# Altium PCB Mini58FDE_nRF24L01_Master.PcbDoc
Units mil, origin at the board's own origin, x right, y up, seen from the top; angles counter-clockwise.
Board outline 4700 x 2450 mil, 2 copper layers (Top Layer, Bottom Layer); 26 components, 22 nets, 112 pads, 0 vias.
Unrouted connection lines stored in the file: 59.
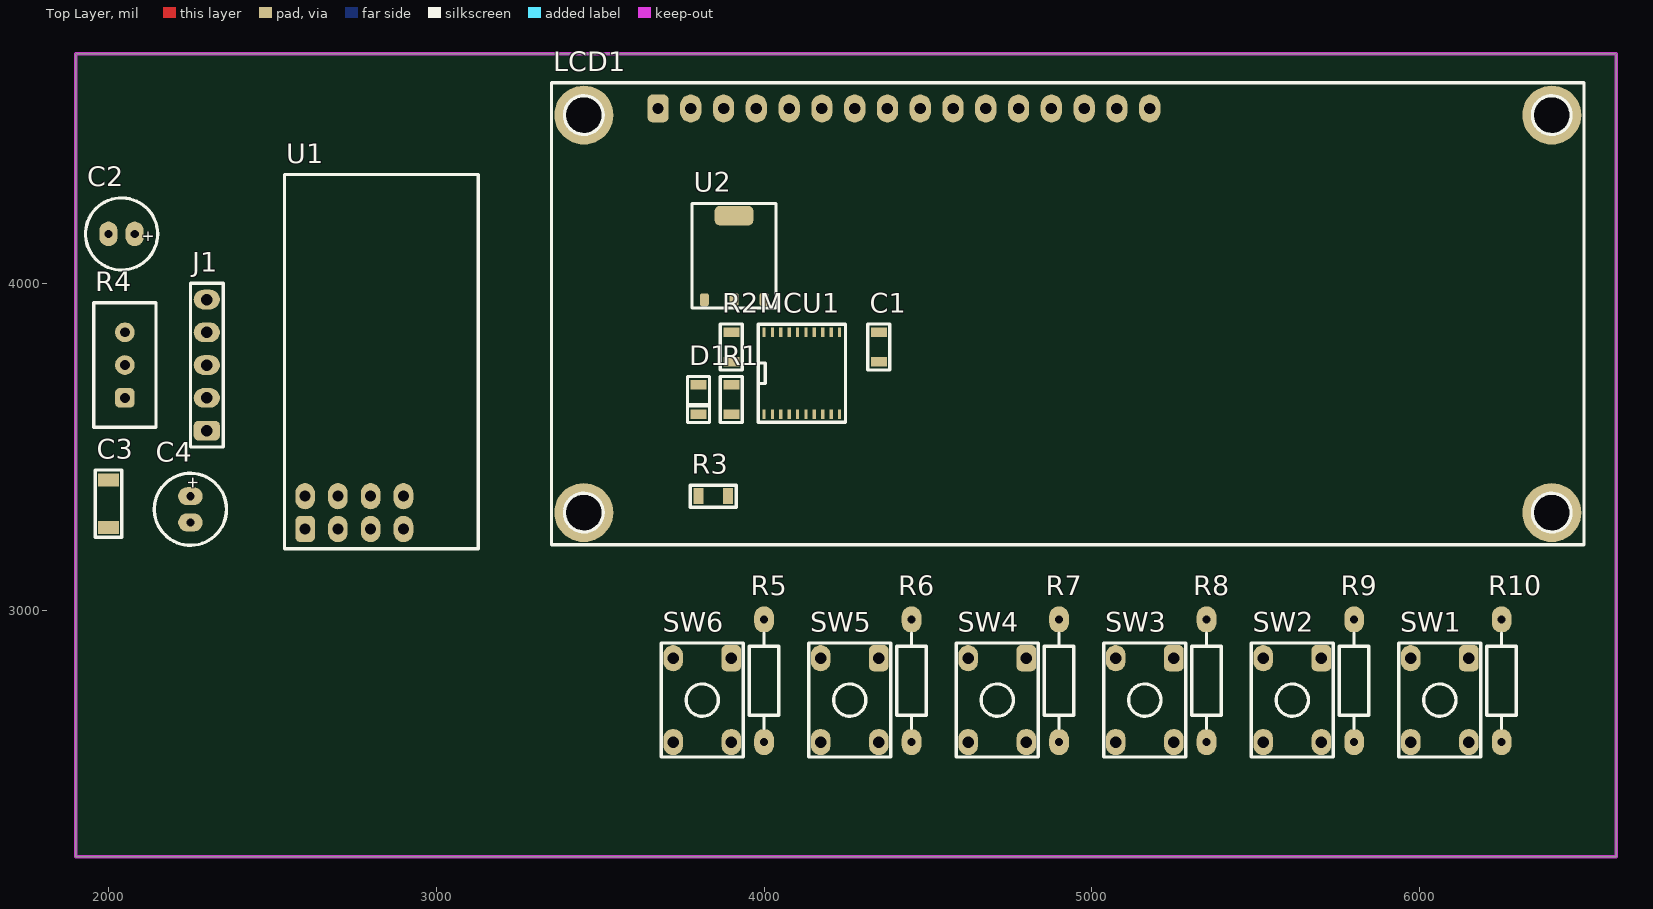
[diagram p0: Top Layer view]
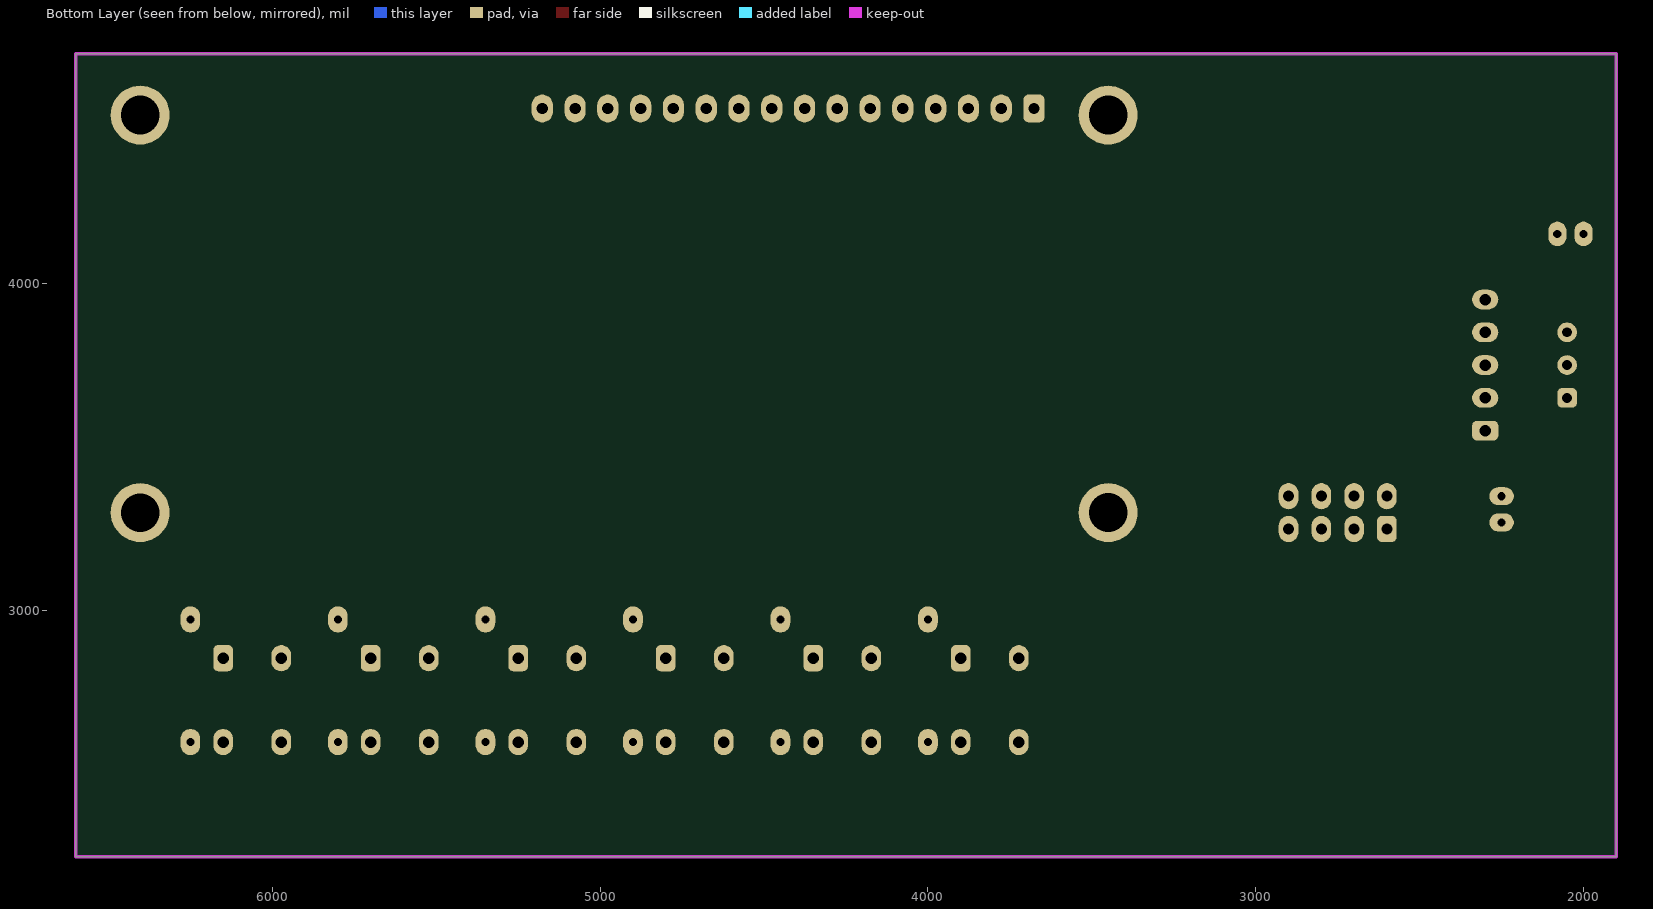
[diagram p1: Bottom Layer view, seen from below]

## Layer stack, top to bottom
Top Solder: solder mask 0.4, Solder Resist, Dk 3.5
Top Layer: signal copper 1.4
Dielectric 1: dielectric 12.6, FR-4, Dk 4.8
Bottom Layer: signal copper 1.4
Bottom Solder: solder mask 0.4, Solder Resist, Dk 3.5

## Board outline
1900,2250 1900,4700 6600,4700 6600,2250

## Design rules (kind name [scope] priority, off if disabled: settings)
Clearance [All] p1: gap=10 ignorepadtopadclearanceinfootprint=FALSE except(0: Arc-Hole Track-Hole SMDPad-Hole THPad-Hole Via-Hole Fill-Hole Poly-Hole Region-Hole Text-Hole)
PolygonConnect [All] p1: connectstyle=Relief reliefconductorwidth=10 reliefentries=4 polygonreliefangle="90 Angle" airgapwidth=10
RoutingVias [All] p1: holewidth=28 width=50 viastyle="Through Hole" minholewidth=28 minwidth=50 maxholewidth=28 maxwidth=50
SolderMaskExpansion [All] p1: expansion=4 istentingtop=FALSE
Width [All] p1: maxlimit=10 minlimit=10 preferedwidth=10
30 further rules are at their usual default settings.

## Components (designator, comment, footprint, x,y, rotation, side; value= is the part's Value field where it differs from the comment)
C1 "104" C0805 4350,3805 r270 top
C2 "10uF" CAP_RAD_D05x11 2040,4150 r180 top
C3 "104" C1206 2000,3327.5 r90 top
C4 "10uF" CAP_RAD_D05x11 2250,3310 r270 top
D1 "LED0805" L0805RED 3800,3645 r270 top
J1 "SWD" HEADER-MALE-05PINS-2.54MM 2300,3550 r90 top
LCD1 "LCD-16x2" LCD-16x2-VIOLET 3676.51,4532.76 r0 top
MCU1 "Mini58FDE" TSSOP20_0.65_4.4 4115.16,3725 r90 top
R1 "10k" R0805 3900,3645 r270 top
R2 "10k" R0805 3900,3805 r90 top
R3 "10k" R0805 3845,3350 r0 top
R4 "Trimpot" "Trimpot 3296W" 2050,3750 r90 top
R5 "10K" RES-0.25W-H 4000,2787 r90 top
R6 "10K" RES-0.25W-H 4450,2787 r90 top
R7 "10K" RES-0.25W-H 4900,2787 r90 top
R8 "10K" RES-0.25W-H 5350,2787 r90 top
R9 "10K" RES-0.25W-H 5800,2787 r90 top
R10 "10K" RES-0.25W-H 6250,2787 r90 top
SW1 "Button Hole" BUTTON_HOLE_4.3mm 6061.42,2727.95 r0 top
SW2 "Button Hole" BUTTON_HOLE_4.3mm 5611.42,2727.95 r0 top
SW3 "Button Hole" BUTTON_HOLE_4.3mm 5161.42,2727.95 r0 top
SW4 "Button Hole" BUTTON_HOLE_4.3mm 4711.42,2727.95 r0 top
SW5 "Button Hole" BUTTON_HOLE_4.3mm 4261.42,2727.95 r0 top
SW6 "Button Hole" BUTTON_HOLE_4.3mm 3811.42,2727.95 r0 top
U1 "nRF24L01" nRF24L01 2750,3300 r270 top
U2 "3V3" SOT223-3 3908.46,4085.83 r0 top

## Footprints (in the part's own frame and the unit in brackets; to place one, negate y for a bottom-side part, rotate by r counter-clockwise, add the part's x,y. Pads: shape width x height; smd on the part's side, far side on the other; paste and mask are expansions set on the pad)
BUTTON_HOLE_4.3mm [mil]
  rrect50% 60x80 hole 35: 1(88.58,127.95)
  oval 60x80 hole 35: 2(88.58,-127.95) 3(-88.58,127.95) 4(-88.58,-127.95)
  silkscreen extent -125,-173 125,174, body extent -118,-152 118,152, height 169
C0805 [mil]
  rect 30x48.82 smd: 1(-45,0) 2(45,0)
  silkscreen extent -70,-33 70,33, body extent -39,-24 39,24, height 39
C1206 [mil]
  rect 40x62.99 smd: 1(-72.5,0) 2(72.5,0)
  silkscreen extent -102,-40 102,40, body extent -63,-31 63,32, height 30
CAP_RAD_D05x11 [mil]
  oval 55x75 hole 25: 1(-40,0) 2(40,0)
  silkscreen extent -110,-110 110,110, body extent -108,-108 108,108, height 492
HEADER-MALE-05PINS-2.54MM [mil]
  rrect50% 60x80 hole 35: 1(0,0)
  oval 60x80 hole 35: 2(100,0) 3(200,0) 4(300,0) 5(400,0)
  silkscreen extent -50,-50 450,50, body extent -50,-50 450,50, height 350
L0805RED [mil]
  rect 30x48.82 smd: 1(-45,0) 2(45,0)
  silkscreen extent -70,-35 70,35, body extent -39,-25 39,25, height 43
LCD-16x2-VIOLET [mil]
  round 180 hole 118.11: 0(-226.51,-1232.76) 0(-226.3,-20.13) 0(2726.51,-20.18) 0(2726.53,-1232.84)
  rrect50% 65x85 hole 35: 1(0,0)
  oval 65x85 hole 35: 2(100,0) 3(200,0) 4(300,0) 5(400,0) 6(500,0) 7(600,0) 8(700,0) 9(800,0) 10(900,0) 11(1000,0) 12(1100,0) 13(1200,0) 14(1300,0) 15(1400,0) 16(1500,0)
  silkscreen extent -325,-1331 2825,78, body extent -324,-1331 2825,79, height 531
nRF24L01 [mil]
  rrect50% 80x60 hole 33.46: 1(50,-150)
  oval 80x60 hole 33.46: 2(-50,-150) 3(50,-50) 4(-50,-50) 5(50,50) 6(-50,50) 7(50,150) 8(-50,150)
  silkscreen extent -1031,-213 110,378, body extent -1031,-213 110,378, height 434
R0805 [mil]
  rect 30x48.82 smd: 1(-45,0) 2(45,0)
  silkscreen extent -70,-33 70,33, body extent -39,-25 40,25, height 18
RES-0.25W-H [mil]
  oval 80x60 hole 25: 1(-187,0) 2(187,0)
  silkscreen extent -145,-45 145,45, body extent -199,-49 199,49, height 109
SOT223-3 [mm]
  rrect50% 0.7x1 smd: 1(-2.3,-3.475) 2(0,-3.45) 3(2.325,-3.45)
  rrect50% 3x1.5 smd: 4(0,3.048)
  silkscreen extent -3.25,-4.11 3.25,3.99, body extent -3.25,-3.5 3.25,3.5, height 1.7
"Trimpot 3296W" [mil]
  rrect50% 60x60 hole 30: 1(-100,0)
  round 60 hole 30: 2(0,0) 3(100,0)
  silkscreen extent -190,-95 190,95, body extent -189,-95 189,95, height 454
TSSOP20_0.65_4.4 [mil]
  rect 30x10 smd: 1(-125,115.16) 2(-125,89.57) 3(-125,63.98) 4(-125,38.39) 5(-125,12.8) 6(-125,-12.8) 7(-125,-38.39) 8(-125,-63.98) 9(-125,-89.57) 10(-125,-115.16) 11(125,-115.16) 12(125,-89.57) 13(125,-63.98) 14(125,-38.39) 15(125,-12.8) 16(125,12.8) 17(125,38.39) 18(125,63.98) 19(125,89.57) 20(125,115.16)
  silkscreen extent -150,-133 150,133, body extent -124,-128 124,128, height 43

## Part data
C1 C3: library part Capacitors(SMD)
C2 C4: library part Capacitor(Radian)
J1: library part HEADER-MALE-05PINS-2.54MM
LCD1: library part LCD-16x2-Violet
MCU1: library part Mcu-Mini58FDE, "Novoton 4Kb-RAM 32Kb-Flash"
R1 R2 R3: library part Resistors-SMD
R4: library part ResTrimpot
R5 R6 R7 R8 R9 R10: library part "Resistors THD"
U1: library part Module-nRF24L01
U2: library part Ic-AMS1117(SOT-223)

## Nets (pads, with @x,y where several pads share a name; then routed paths per layer and width w, separated by ;. In a path a pad name is that pad's centre, name@x,y a point inside that pad or via, vN(x,y) a via of type N, cw(c..) or ccw(c..) an arc to the next point about the centre after c; other vN are vias at no path point)
CE: MCU1.12 U1.3
CLK: J1.3 MCU1.14
CSN: MCU1.19 U1.4
DAT: J1.4 MCU1.15
GND: C1.1 C2.2 C3.1 C4.2 D1.2 J1.1 LCD1.1 LCD1.5 LCD1.7 LCD1.8 LCD1.9 LCD1.10 LCD1.16 MCU1.11 R4.3 SW1.4 SW2.4 SW3.4 SW4.4 SW5.4 SW6.4 U1.1 U2.1
IRQ: R3.1 U1.8
MISO: MCU1.17 U1.7
MOSI: MCU1.18 U1.6
NetC3_2: C3.2 C4.1 U1.2 U2.2
NetD1_1: D1.1 R1.1
NetLCD1_3: LCD1.3 R4.2
NetMCU1_1: MCU1.1 R1.2
NetMCU1_6: MCU1.6 R3.2
NetR5_1: R5.1 SW6.2
NetR6_1: R6.1 SW5.2
NetR7_1: R7.1 SW4.2
NetR8_1: R8.1 SW3.2
NetR9_1: R9.1 SW2.2
NetR10_1: R10.1 SW1.2
RESET: J1.2 MCU1.5 R2.1
SCK: MCU1.16 U1.5
VCC: C1.2 C2.1 J1.5 LCD1.2 LCD1.15 MCU1.20 R2.2 R4.1 R5.2 R6.2 R7.2 R8.2 R9.2 R10.2 U2.3
pads on no net: LCD1.0 LCD1.4 LCD1.6 LCD1.11 LCD1.12 LCD1.13 LCD1.14 MCU1.2 MCU1.3 MCU1.4 MCU1.7 MCU1.8 MCU1.9 MCU1.10 MCU1.13 SW1.1 SW1.3 SW2.1 SW2.3 SW3.1 SW3.3 SW4.1 SW4.3 SW5.1 SW5.3 SW6.1 SW6.3 U2.4

## Keep-outs
Keep-Out Layer:
  the board outline again, w10

## Text inside footprints (layer, text, board x,y; h text height)
C2: Top Overlay "+" at 2141.43,4168.93 h60 r180
C4: Top Overlay "+" at 2231.07,3411.43 h60 r270